# KiCad board EVE-3A keyboard ortho.kicad_pcb
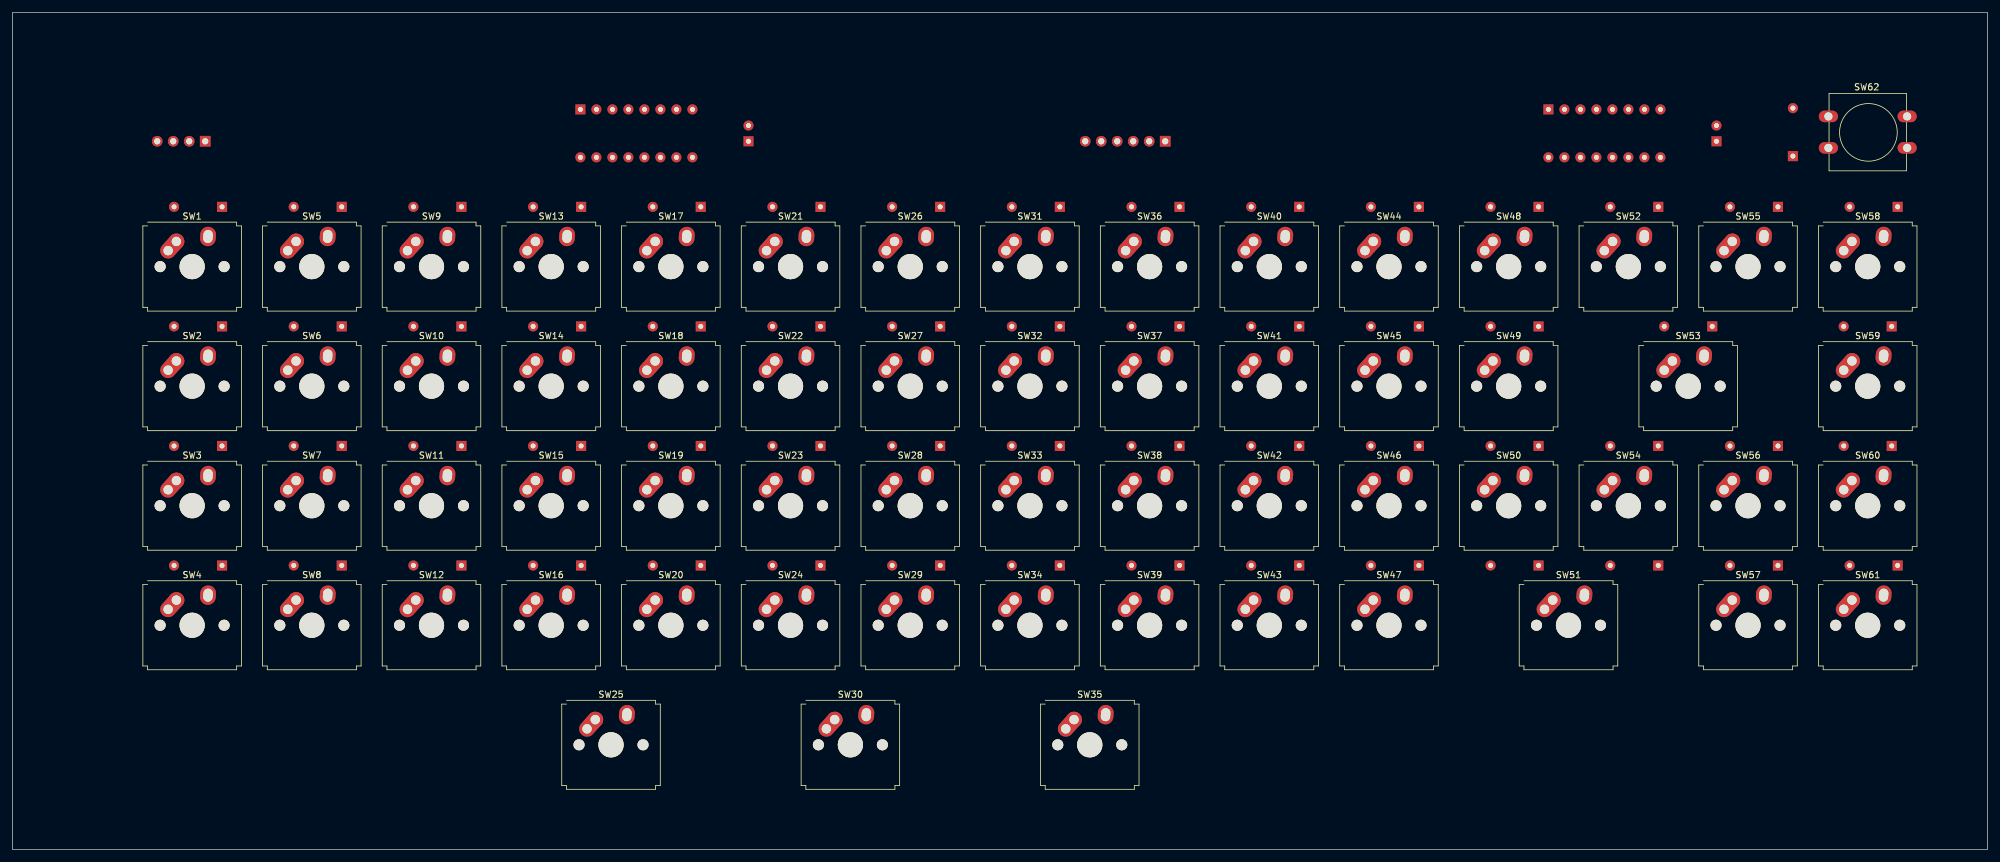
[diagram p0: board, top side]
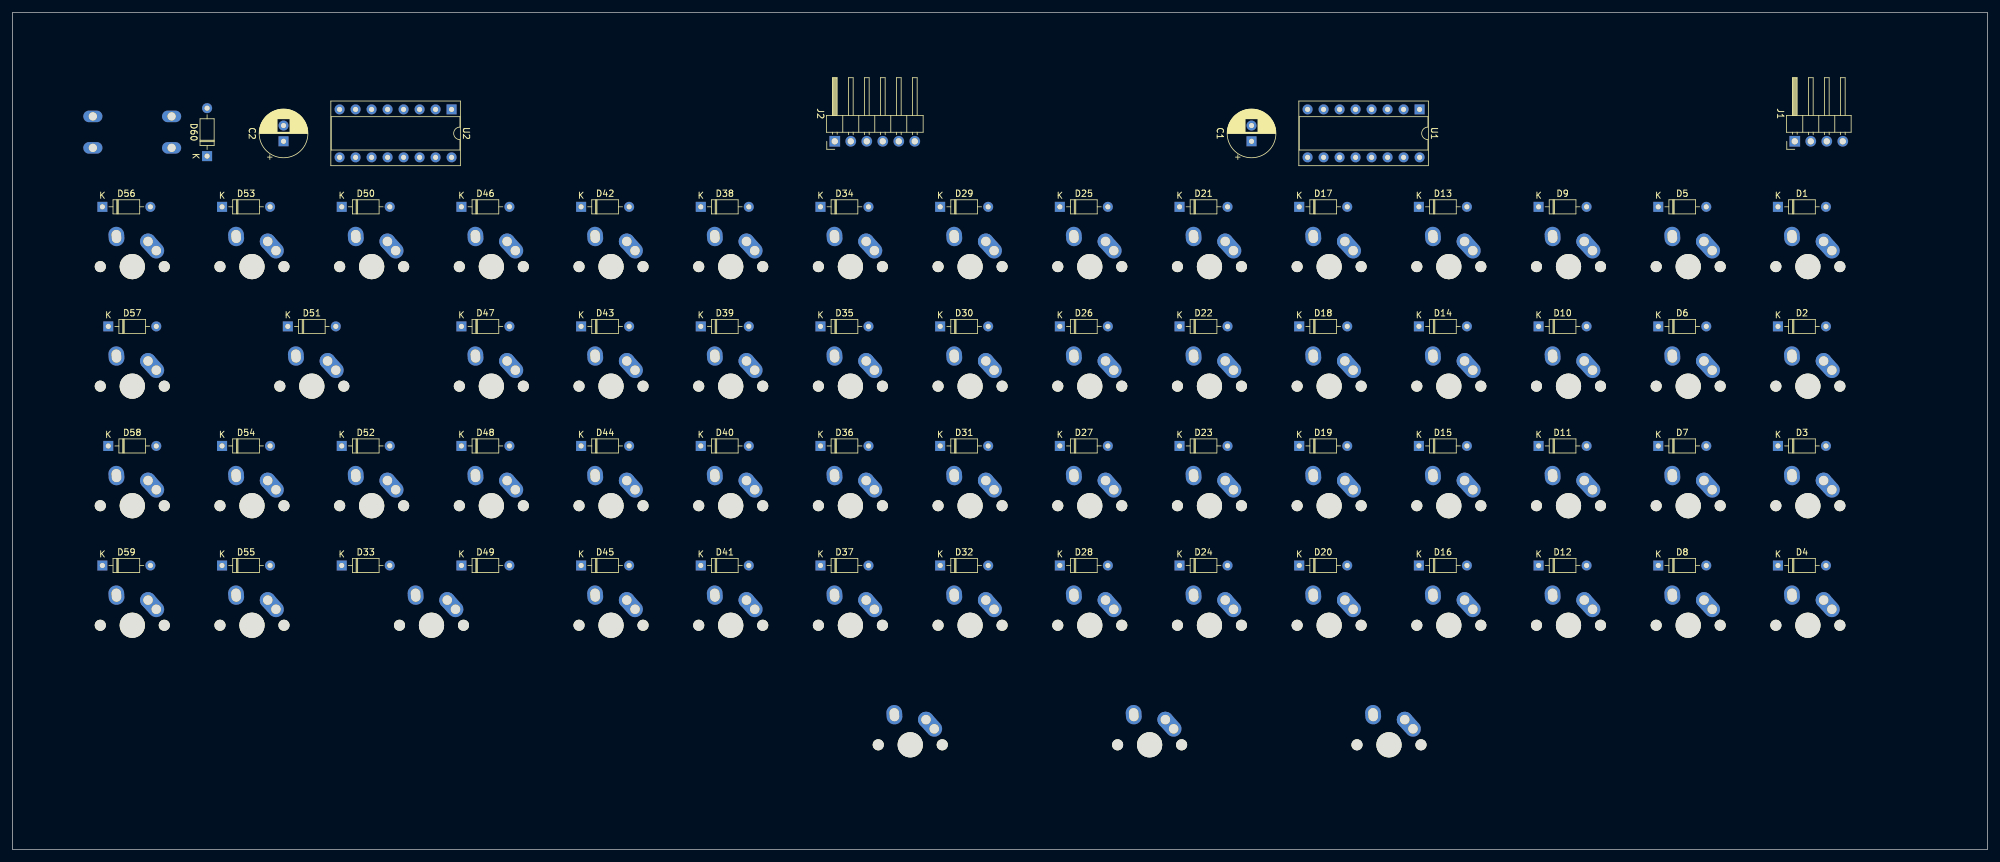
[diagram p1: board, bottom side, seen from below]

Outline 313.5 x 133 mm; copper layers: Top, Bottom. Coordinates in mm from the lower left corner of the outline.
Outline path: 0,133 0,0 313.5,0 313.5,133 0,133
Stack: Top 0.035mm / dielectric 1.51mm FR4 er 4.5 / Bottom 0.035mm

## Placement (name value [footprint] x y rotation side)
C1  C_Polarized  [CP_Radial_D7.5mm_P2.50mm]  116.82 112.54 90 bottom
C2  C_Polarized  [CP_Radial_D7.5mm_P2.50mm]  270.49 112.54 90 bottom
D1  1N4148  [D_DO-35_SOD27_P7.62mm_Horizontal]  33.25 102.12 180 bottom
D2  1N4148  [D_DO-35_SOD27_P7.62mm_Horizontal]  33.25 83.12 180 bottom
D3  1N4148  [D_DO-35_SOD27_P7.62mm_Horizontal]  33.25 64.12 180 bottom
D4  1N4148  [D_DO-35_SOD27_P7.62mm_Horizontal]  33.25 45.12 180 bottom
D5  1N4148  [D_DO-35_SOD27_P7.62mm_Horizontal]  52.25 102.12 180 bottom
D6  1N4148  [D_DO-35_SOD27_P7.62mm_Horizontal]  52.25 83.12 180 bottom
D7  1N4148  [D_DO-35_SOD27_P7.62mm_Horizontal]  52.25 64.12 180 bottom
D8  1N4148  [D_DO-35_SOD27_P7.62mm_Horizontal]  52.25 45.12 180 bottom
D9  1N4148  [D_DO-35_SOD27_P7.62mm_Horizontal]  71.25 102.12 180 bottom
D10  1N4148  [D_DO-35_SOD27_P7.62mm_Horizontal]  71.25 83.12 180 bottom
D11  1N4148  [D_DO-35_SOD27_P7.62mm_Horizontal]  71.25 64.12 180 bottom
D12  1N4148  [D_DO-35_SOD27_P7.62mm_Horizontal]  71.25 45.12 180 bottom
D13  1N4148  [D_DO-35_SOD27_P7.62mm_Horizontal]  90.25 102.12 180 bottom
D14  1N4148  [D_DO-35_SOD27_P7.62mm_Horizontal]  90.25 83.12 180 bottom
D15  1N4148  [D_DO-35_SOD27_P7.62mm_Horizontal]  90.25 64.12 180 bottom
D16  1N4148  [D_DO-35_SOD27_P7.62mm_Horizontal]  90.25 45.12 180 bottom
D17  1N4148  [D_DO-35_SOD27_P7.62mm_Horizontal]  109.25 102.12 180 bottom
D18  1N4148  [D_DO-35_SOD27_P7.62mm_Horizontal]  109.25 83.12 180 bottom
D19  1N4148  [D_DO-35_SOD27_P7.62mm_Horizontal]  109.25 64.12 180 bottom
D20  1N4148  [D_DO-35_SOD27_P7.62mm_Horizontal]  109.25 45.12 180 bottom
D21  1N4148  [D_DO-35_SOD27_P7.62mm_Horizontal]  128.25 102.12 180 bottom
D22  1N4148  [D_DO-35_SOD27_P7.62mm_Horizontal]  128.25 83.12 180 bottom
D23  1N4148  [D_DO-35_SOD27_P7.62mm_Horizontal]  128.25 64.12 180 bottom
D24  1N4148  [D_DO-35_SOD27_P7.62mm_Horizontal]  128.25 45.12 180 bottom
D25  1N4148  [D_DO-35_SOD27_P7.62mm_Horizontal]  147.25 102.12 180 bottom
D26  1N4148  [D_DO-35_SOD27_P7.62mm_Horizontal]  147.25 83.12 180 bottom
D27  1N4148  [D_DO-35_SOD27_P7.62mm_Horizontal]  147.25 64.12 180 bottom
D28  1N4148  [D_DO-35_SOD27_P7.62mm_Horizontal]  147.25 45.12 180 bottom
D29  1N4148  [D_DO-35_SOD27_P7.62mm_Horizontal]  166.25 102.12 180 bottom
D30  1N4148  [D_DO-35_SOD27_P7.62mm_Horizontal]  166.25 83.12 180 bottom
D31  1N4148  [D_DO-35_SOD27_P7.62mm_Horizontal]  166.25 64.12 180 bottom
D32  1N4148  [D_DO-35_SOD27_P7.62mm_Horizontal]  166.25 45.12 180 bottom
D33  1N4148  [D_DO-35_SOD27_P7.62mm_Horizontal]  261.25 45.12 180 bottom
D34  1N4148  [D_DO-35_SOD27_P7.62mm_Horizontal]  185.25 102.12 180 bottom
D35  1N4148  [D_DO-35_SOD27_P7.62mm_Horizontal]  185.25 83.12 180 bottom
D36  1N4148  [D_DO-35_SOD27_P7.62mm_Horizontal]  185.25 64.12 180 bottom
D37  1N4148  [D_DO-35_SOD27_P7.62mm_Horizontal]  185.25 45.12 180 bottom
D38  1N4148  [D_DO-35_SOD27_P7.62mm_Horizontal]  204.25 102.12 180 bottom
D39  1N4148  [D_DO-35_SOD27_P7.62mm_Horizontal]  204.25 83.12 180 bottom
D40  1N4148  [D_DO-35_SOD27_P7.62mm_Horizontal]  204.25 64.12 180 bottom
D41  1N4148  [D_DO-35_SOD27_P7.62mm_Horizontal]  204.25 45.12 180 bottom
D42  1N4148  [D_DO-35_SOD27_P7.62mm_Horizontal]  223.25 102.12 180 bottom
D43  1N4148  [D_DO-35_SOD27_P7.62mm_Horizontal]  223.25 83.12 180 bottom
D44  1N4148  [D_DO-35_SOD27_P7.62mm_Horizontal]  223.25 64.12 180 bottom
D45  1N4148  [D_DO-35_SOD27_P7.62mm_Horizontal]  223.25 45.12 180 bottom
D46  1N4148  [D_DO-35_SOD27_P7.62mm_Horizontal]  242.25 102.12 180 bottom
D47  1N4148  [D_DO-35_SOD27_P7.62mm_Horizontal]  242.25 83.12 180 bottom
D48  1N4148  [D_DO-35_SOD27_P7.62mm_Horizontal]  242.25 64.12 180 bottom
D49  1N4148  [D_DO-35_SOD27_P7.62mm_Horizontal]  242.25 45.12 180 bottom
D50  1N4148  [D_DO-35_SOD27_P7.62mm_Horizontal]  261.25 102.12 180 bottom
D51  1N4148  [D_DO-35_SOD27_P7.62mm_Horizontal]  269.81 83.12 180 bottom
D52  1N4148  [D_DO-35_SOD27_P7.62mm_Horizontal]  261.25 64.12 180 bottom
D53  1N4148  [D_DO-35_SOD27_P7.62mm_Horizontal]  280.25 102.12 180 bottom
D54  1N4148  [D_DO-35_SOD27_P7.62mm_Horizontal]  280.25 64.12 180 bottom
D55  1N4148  [D_DO-35_SOD27_P7.62mm_Horizontal]  280.25 45.12 180 bottom
D56  1N4148  [D_DO-35_SOD27_P7.62mm_Horizontal]  299.25 102.12 180 bottom
D57  1N4148  [D_DO-35_SOD27_P7.62mm_Horizontal]  298.31 83.12 180 bottom
D58  1N4148  [D_DO-35_SOD27_P7.62mm_Horizontal]  298.31 64.12 180 bottom
D59  1N4148  [D_DO-35_SOD27_P7.62mm_Horizontal]  299.25 45.12 180 bottom
D60  1N4148  [D_DO-35_SOD27_P7.62mm_Horizontal]  282.62 110.19 90 bottom
J1  Conn_01x04_Male  [PinHeader_1x04_P2.54mm_Horizontal]  30.58 112.54 90 bottom
J2  Conn_01x06_Male  [PinHeader_1x06_P2.54mm_Horizontal]  182.98 112.54 90 bottom
SW1  1  [SW_Hybrid_Cherry_MX_Alps_1.00u]  28.5 92.62 0 top
SW2  Esc  [SW_Hybrid_Cherry_MX_Alps_1.00u]  28.5 73.62 0 top
SW3  Ctrl  [SW_Hybrid_Cherry_MX_Alps_1.00u]  28.5 54.62 0 top
SW4  ShiftL  [SW_Hybrid_Cherry_MX_Alps_1.00u]  28.5 35.62 0 top
SW5  2  [SW_Hybrid_Cherry_MX_Alps_1.00u]  47.5 92.62 0 top
SW6  Q  [SW_Hybrid_Cherry_MX_Alps_1.00u]  47.5 73.62 0 top
SW7  A  [SW_Hybrid_Cherry_MX_Alps_1.00u]  47.5 54.62 0 top
SW8  Z  [SW_Hybrid_Cherry_MX_Alps_1.00u]  47.5 35.62 0 top
SW9  3  [SW_Hybrid_Cherry_MX_Alps_1.00u]  66.5 92.62 0 top
SW10  W  [SW_Hybrid_Cherry_MX_Alps_1.00u]  66.5 73.62 0 top
SW11  S  [SW_Hybrid_Cherry_MX_Alps_1.00u]  66.5 54.62 0 top
SW12  X  [SW_Hybrid_Cherry_MX_Alps_1.00u]  66.5 35.62 0 top
SW13  4  [SW_Hybrid_Cherry_MX_Alps_1.00u]  85.5 92.62 0 top
SW14  E  [SW_Hybrid_Cherry_MX_Alps_1.00u]  85.5 73.62 0 top
SW15  D  [SW_Hybrid_Cherry_MX_Alps_1.00u]  85.5 54.62 0 top
SW16  C  [SW_Hybrid_Cherry_MX_Alps_1.00u]  85.5 35.62 0 top
SW17  5  [SW_Hybrid_Cherry_MX_Alps_1.00u]  104.5 92.62 0 top
SW18  R  [SW_Hybrid_Cherry_MX_Alps_1.00u]  104.5 73.62 0 top
SW19  F  [SW_Hybrid_Cherry_MX_Alps_1.00u]  104.5 54.62 0 top
SW20  V  [SW_Hybrid_Cherry_MX_Alps_1.00u]  104.5 35.62 0 top
SW21  6  [SW_Hybrid_Cherry_MX_Alps_1.00u]  123.5 92.62 0 top
SW22  T  [SW_Hybrid_Cherry_MX_Alps_1.00u]  123.5 73.62 0 top
SW23  G  [SW_Hybrid_Cherry_MX_Alps_1.00u]  123.5 54.62 0 top
SW24  B  [SW_Hybrid_Cherry_MX_Alps_1.00u]  123.5 35.62 0 top
SW25  Space  [SW_Hybrid_Cherry_MX_Alps_2.00u]  95 16.62 0 top
SW26  7  [SW_Hybrid_Cherry_MX_Alps_1.00u]  142.5 92.62 0 top
SW27  Y  [SW_Hybrid_Cherry_MX_Alps_1.00u]  142.5 73.62 0 top
SW28  H  [SW_Hybrid_Cherry_MX_Alps_1.00u]  142.5 54.62 0 top
SW29  N  [SW_Hybrid_Cherry_MX_Alps_1.00u]  142.5 35.62 0 top
SW30  Space  [SW_Hybrid_Cherry_MX_Alps_2.00u]  133 16.62 0 top
SW31  8  [SW_Hybrid_Cherry_MX_Alps_1.00u]  161.5 92.62 0 top
SW32  U  [SW_Hybrid_Cherry_MX_Alps_1.00u]  161.5 73.62 0 top
SW33  J  [SW_Hybrid_Cherry_MX_Alps_1.00u]  161.5 54.62 0 top
SW34  M  [SW_Hybrid_Cherry_MX_Alps_1.00u]  161.5 35.62 0 top
SW35  Space  [SW_Hybrid_Cherry_MX_Alps_2.00u]  171 16.62 0 top
SW36  9  [SW_Hybrid_Cherry_MX_Alps_1.00u]  180.5 92.62 0 top
SW37  I  [SW_Hybrid_Cherry_MX_Alps_1.00u]  180.5 73.62 0 top
SW38  K  [SW_Hybrid_Cherry_MX_Alps_1.00u]  180.5 54.62 0 top
SW39  ,  [SW_Hybrid_Cherry_MX_Alps_1.00u]  180.5 35.62 0 top
SW40  0  [SW_Hybrid_Cherry_MX_Alps_1.00u]  199.5 92.62 0 top
SW41  O  [SW_Hybrid_Cherry_MX_Alps_1.00u]  199.5 73.62 0 top
SW42  L  [SW_Hybrid_Cherry_MX_Alps_1.00u]  199.5 54.62 0 top
SW43  .  [SW_Hybrid_Cherry_MX_Alps_1.00u]  199.5 35.62 0 top
SW44  :  [SW_Hybrid_Cherry_MX_Alps_1.00u]  218.5 92.62 0 top
SW45  P  [SW_Hybrid_Cherry_MX_Alps_1.00u]  218.5 73.62 0 top
SW46  ;  [SW_Hybrid_Cherry_MX_Alps_1.00u]  218.5 54.62 0 top
SW47  /  [SW_Hybrid_Cherry_MX_Alps_1.00u]  218.5 35.62 0 top
SW48  - =  [SW_Hybrid_Cherry_MX_Alps_1.00u]  237.5 92.62 0 top
SW49  LineFeed  [SW_Hybrid_Cherry_MX_Alps_1.00u]  237.5 73.62 0 top
SW50  @  [SW_Hybrid_Cherry_MX_Alps_1.00u]  237.5 54.62 0 top
SW51  ShiftR  [SW_Hybrid_Cherry_MX_Alps_2.00u]  247 35.62 0 top
SW52  [  [SW_Hybrid_Cherry_MX_Alps_1.00u]  256.5 92.62 0 top
SW53  Enter  [SW_Hybrid_Cherry_MX_Alps_2.00u]  266 73.62 0 top
SW54  \  [SW_Hybrid_Cherry_MX_Alps_1.00u]  256.5 54.62 0 top
SW55  ]  [SW_Hybrid_Cherry_MX_Alps_1.00u]  275.5 92.62 0 top
SW56  _ Rub  [SW_Hybrid_Cherry_MX_Alps_1.00u]  275.5 54.62 0 top
SW57  Repeat  [SW_Hybrid_Cherry_MX_Alps_1.00u]  275.5 35.62 0 top
SW58  ^ ~ Home  [SW_Hybrid_Cherry_MX_Alps_1.00u]  294.5 92.62 0 top
SW59  Here Is  [SW_Hybrid_Cherry_MX_Alps_1.00u]  294.5 73.62 0 top
SW60  Break  [SW_Hybrid_Cherry_MX_Alps_1.00u]  294.5 54.62 0 top
SW61  Clear  [SW_Hybrid_Cherry_MX_Alps_1.00u]  294.5 35.62 0 top
SW62  Special  [SW_PUSH-12mm]  288.26 116.5 0 top
U1  74LS138  [DIP-16_W7.62mm_Socket]  90.14 117.61 270 bottom
U2  74LS138  [DIP-16_W7.62mm_Socket]  243.81 117.61 270 bottom

## Footprints (pads in the part's own frame, mm; a bottom-side part is the same pattern mirrored in y, then rotated)
CP_Radial_D7.5mm_P2.50mm
  rect 1.6x1.6 hole 0.8: 1(0,0)
  round 1.6 hole 0.8: 2(2.5,0)
D_DO-35_SOD27_P7.62mm_Horizontal
  rect 1.6x1.6 hole 0.8: 1(0,0)
  oval 1.6x1.6 hole 0.8: 2(7.62,0)
DIP-16_W7.62mm_Socket
  rect 1.6x1.6 hole 0.8: 1(0,0)
  oval 1.6x1.6 hole 0.8: 2(0,-2.54) 3(0,-5.08) 4(0,-7.62) 5(0,-10.16) 6(0,-12.7) 7(0,-15.24) 8(0,-17.78) 9(7.62,-17.78) 10(7.62,-15.24) 11(7.62,-12.7) 12(7.62,-10.16) 13(7.62,-7.62) 14(7.62,-5.08) 15(7.62,-2.54) 16(7.62,0)
PinHeader_1x04_P2.54mm_Horizontal
  rect 1.7x1.7 hole 1: 1(0,0)
  oval 1.7x1.7 hole 1: 2(0,-2.54) 3(0,-5.08) 4(0,-7.62)
PinHeader_1x06_P2.54mm_Horizontal
  rect 1.7x1.7 hole 1: 1(0,0)
  oval 1.7x1.7 hole 1: 2(0,-2.54) 3(0,-5.08) 4(0,-7.62) 5(0,-10.16) 6(0,-12.7)
SW_Hybrid_Cherry_MX_Alps_1.00u
  round 1.75 hole 1.75 unplated: (-5.08,0) (5.08,0)
  round 1.55 smd: (-3.81,2.54) (-2.5,4)
  round 4 hole 4 unplated: (0,0)
  oval 2.131x1.55 smd rot 86: (2.52,4.79)
  oval 4.462x2.5 hole 1.5 rot 48: 1(-3.81,2.54)
  round 2.5 hole 1.5: 1(-2.5,4)
  oval 3.081x2.5 hole 2.081x1.5 rot 86: 2(2.52,4.79)
SW_Hybrid_Cherry_MX_Alps_2.00u
  round 1.75 hole 1.75 unplated: (-5.08,0) (5.08,0)
  round 1.55 smd: (-3.81,2.54) (-2.5,4)
  round 4 hole 4 unplated: (0,0)
  oval 2.131x1.55 smd rot 86: (2.52,4.79)
  oval 4.462x2.5 hole 1.5 rot 48: 1(-3.81,2.54)
  round 2.5 hole 1.5: 1(-2.5,4)
  oval 3.081x2.5 hole 2.081x1.5 rot 86: 2(2.52,4.79)
SW_PUSH-12mm
  oval 3.048x1.85 hole 1.3: 1(0,0) 1(12.5,0) 2(0,-5) 2(12.5,-5)

## Nets
+3V3: C1.1 C2.1 J2.6 U1.16 U2.6 U2.16
GND: C1.2 C2.2 J2.5 U1.4 U1.5 U1.8 U2.4 U2.8
C0: J2.1 U1.1 U2.1
C1: J2.2 U1.2 U2.2
C2: J2.3 U1.3 U2.3
C3: J2.4 U1.6 U2.5
R0: J1.1 SW1.2 SW5.2 SW9.2 SW13.2 SW17.2 SW21.2 SW26.2 SW31.2 SW36.2 SW40.2 SW44.2 SW48.2 SW52.2 SW55.2 SW58.2
R1: J1.2 SW2.2 SW6.2 SW10.2 SW14.2 SW18.2 SW22.2 SW27.2 SW32.2 SW37.2 SW41.2 SW45.2 SW49.2 SW53.2 SW59.2 SW62.2
R2: J1.3 SW3.2 SW7.2 SW11.2 SW15.2 SW19.2 SW23.2 SW28.2 SW33.2 SW38.2 SW42.2 SW46.2 SW50.2 SW54.2 SW56.2 SW60.2
R3: J1.4 SW4.2 SW8.2 SW12.2 SW16.2 SW20.2 SW24.2 SW25.2 SW29.2 SW30.2 SW34.2 SW35.2 SW39.2 SW43.2 SW47.2 SW51.2 SW57.2 SW61.2
Net-(D1-Pad1): D1.1 D2.1 D3.1 D4.1 U1.15
Net-(D1-Pad2): D1.2 SW1.1
Net-(D2-Pad2): D2.2 SW2.1
Net-(D3-Pad2): D3.2 SW3.1
Net-(D4-Pad2): D4.2 SW4.1
Net-(D5-Pad1): D5.1 D6.1 D7.1 D8.1 U1.14
Net-(D5-Pad2): D5.2 SW5.1
Net-(D6-Pad2): D6.2 SW6.1
Net-(D7-Pad2): D7.2 SW7.1
Net-(D8-Pad2): D8.2 SW8.1
Net-(D9-Pad2): D9.2 SW9.1
Net-(D10-Pad1): D9.1 D10.1 D11.1 D12.1 U1.13
Net-(D10-Pad2): D10.2 SW10.1
Net-(D11-Pad2): D11.2 SW11.1
Net-(D12-Pad2): D12.2 SW12.1
Net-(D13-Pad1): D13.1 D14.1 D15.1 D16.1 U1.12
Net-(D13-Pad2): D13.2 SW13.1
Net-(D14-Pad2): D14.2 SW14.1
Net-(D15-Pad2): D15.2 SW15.1
Net-(D16-Pad2): D16.2 SW16.1
Net-(D17-Pad1): D17.1 D18.1 D19.1 D20.1 U1.11
Net-(D17-Pad2): D17.2 SW17.1
Net-(D18-Pad2): D18.2 SW18.1
Net-(D19-Pad2): D19.2 SW19.1
Net-(D20-Pad2): D20.2 SW20.1
Net-(D21-Pad1): D21.1 D22.1 D23.1 D24.1 U1.10
Net-(D21-Pad2): D21.2 SW21.1
Net-(D22-Pad2): D22.2 SW22.1
Net-(D23-Pad2): D23.2 SW23.1
Net-(D24-Pad2): D24.2 SW24.1
Net-(D25-Pad1): D25.1 D26.1 D27.1 D28.1 U1.9
Net-(D25-Pad2): D25.2 SW26.1
Net-(D26-Pad2): D26.2 SW27.1
Net-(D27-Pad2): D27.2 SW28.1
Net-(D28-Pad2): D28.2 SW29.1
Net-(D29-Pad1): D29.1 D30.1 D31.1 D32.1 U1.7
Net-(D29-Pad2): D29.2 SW31.1
Net-(D30-Pad2): D30.2 SW32.1
Net-(D31-Pad2): D31.2 SW33.1
Net-(D32-Pad2): D32.2 SW34.1
Net-(D33-Pad2): D33.2 SW25.1 SW30.1 SW35.1
Net-(D34-Pad1): D34.1 D35.1 D36.1 D37.1 U2.14
Net-(D34-Pad2): D34.2 SW36.1
Net-(D35-Pad2): D35.2 SW37.1
Net-(D36-Pad2): D36.2 SW38.1
Net-(D37-Pad2): D37.2 SW39.1
Net-(D38-Pad1): D38.1 D39.1 D40.1 D41.1 U2.13
Net-(D38-Pad2): D38.2 SW40.1
Net-(D39-Pad2): D39.2 SW41.1
Net-(D40-Pad2): D40.2 SW42.1
Net-(D41-Pad2): D41.2 SW43.1
Net-(D42-Pad2): D42.2 SW44.1
Net-(D43-Pad2): D43.2 SW45.1
Net-(D44-Pad2): D44.2 SW46.1
Net-(D45-Pad2): D45.2 SW47.1
Net-(D46-Pad2): D46.2 SW48.1
Net-(D47-Pad2): D47.2 SW49.1
Net-(D48-Pad2): D48.2 SW50.1
Net-(D49-Pad2): D49.2 SW51.1
Net-(D50-Pad2): D50.2 SW52.1
Net-(D51-Pad2): D51.2 SW53.1
Net-(D52-Pad2): D52.2 SW54.1
Net-(D53-Pad2): D53.2 SW55.1
Net-(D54-Pad2): D54.2 SW56.1
Net-(D55-Pad2): D55.2 SW57.1
Net-(D56-Pad2): D56.2 SW58.1
Net-(D58-Pad2): D58.2 SW60.1
Net-(D59-Pad2): D59.2 SW61.1
Net-(D60-Pad2): D60.2 SW62.1
Net-(SW59-Pad1): D57.2 SW59.1
Net-(U2-Pad7): D56.1 D57.1 D58.1 D59.1 U2.7
Net-(U2-Pad9): D53.1 D54.1 D55.1 D60.1 U2.9
Net-(U2-Pad10): D33.1 D50.1 D51.1 D52.1 U2.10
Net-(U2-Pad11): D46.1 D47.1 D48.1 D49.1 U2.11
Net-(U2-Pad12): D42.1 D43.1 D44.1 D45.1 U2.12

Pads without a net: U2 15
